# Altium PCB 转接板.PcbDoc (continued)
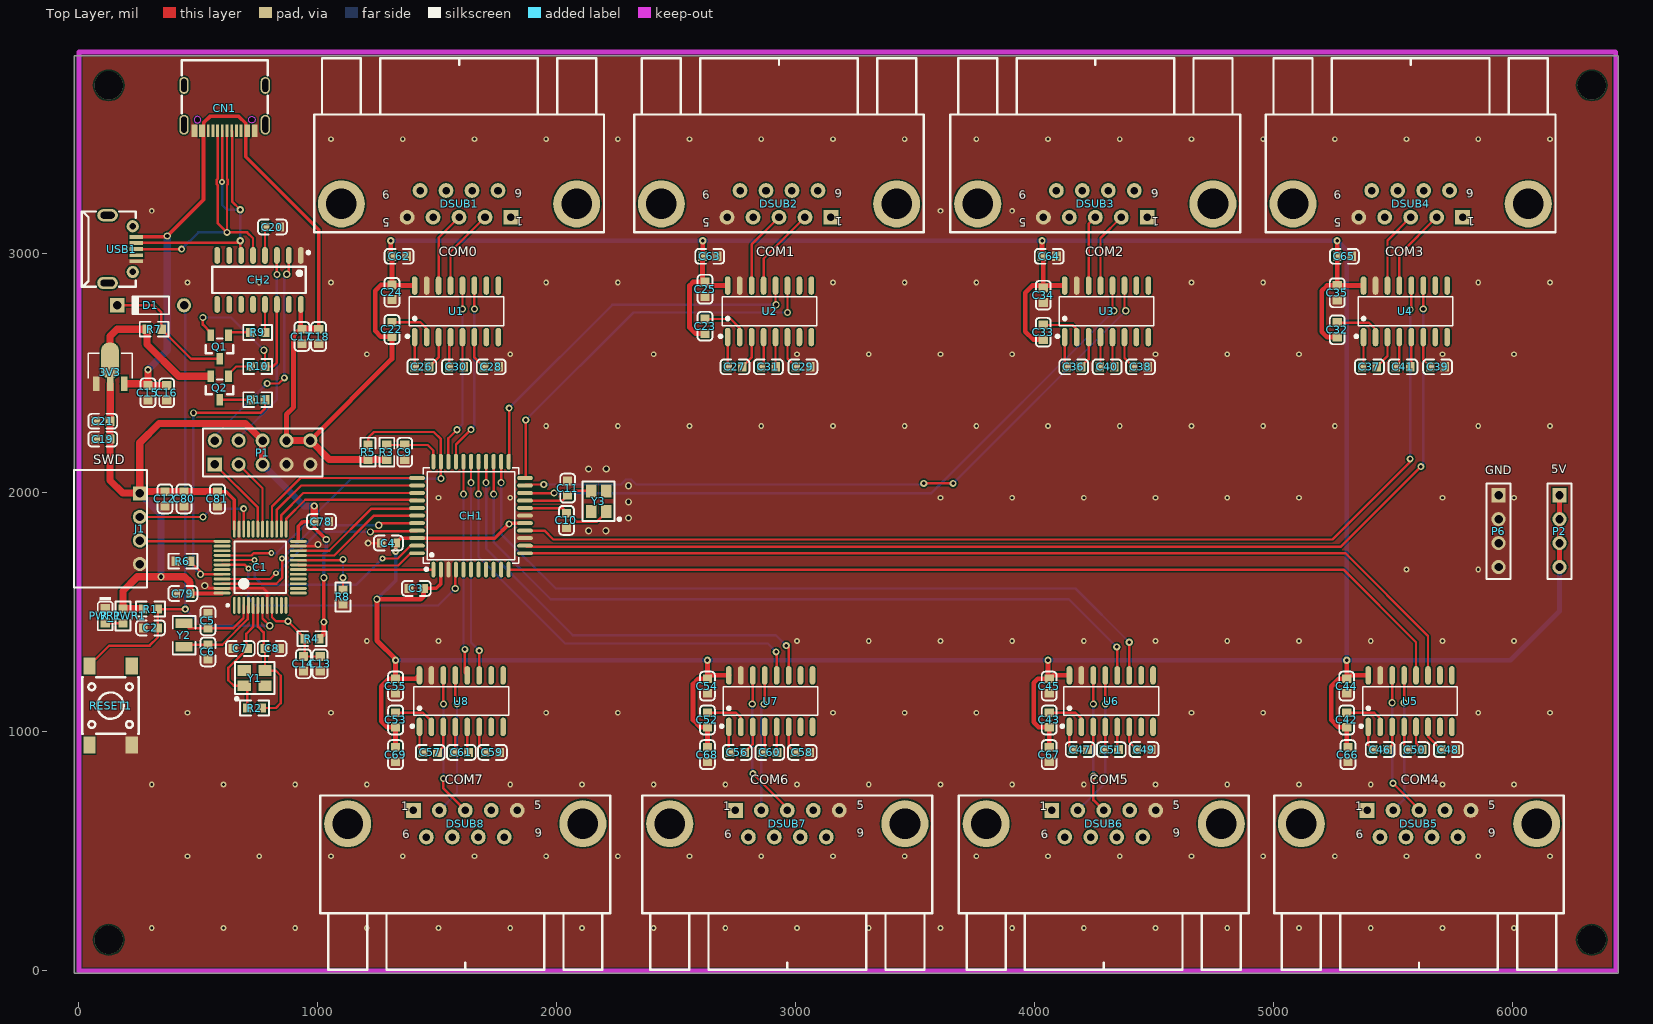
[diagram p0: Top Layer view]
## Part data
3V3: library part CJA1117B-ADJ, BOM_JLCPCB Part Class="Extended Part", BOM_Manufacturer=CJ, BOM_Manufacturer Part=CJA1117B-ADJ, BOM_Supplier=LCSC, BOM_Supplier Part=C107222, spicePre=U, spiceSymbolName=CJA1117B-ADJ
C1: "STM32 ARM-based 32-bit MCU with 64 Kbytes Flash, 48-pin LQFP, Industrial Temperature", ComponentLink1Description="Manufacturer Link", ComponentLink1URL=www.st.com/stm32, ComponentLink2Description=Datasheet, ComponentLink2URL=http://www.st.com/stonline/products/literature/ds/13587.pdf, DatasheetVersion="rev6, Mar-2008", PackageDescription="48-Pin Low-Profile Quad Flat Pack, 7 x 7 mm Body, 0.5 mm Pitch (LQFP48)", PackageReference=LQFP48, PackageVersion=Mar-2008, Published=30-May-2008, Publisher="Altium Limited"
C2 C9 C10 C11 C12 C14 C16 C18 C20 C21 C22 C23 C24 C25 C26 C27 C28 C29 C30 C31 C32 C33 C34 C35 C36 C37 C38 C39 C40 C41 C42 C43 C44 C45 C46 C47 C48 C49 C50 C51 C52 C53 C54 C55 C56 C57 C58 C59 C60 C61: library part "0603 100nF (104) 10% 50V", "贴片电容", Package=0603, SuppliersPartNumber=C14663, ComponentLink1Description=供应商链接, ComponentLink1URL=http://www.szlcsc.com/product/details_15331.html, Supplier=LC
C3 C4: library part "0603 100pF (101) 5% 50V", "贴片电容", Package=0603, SuppliersPartNumber=C14858, ComponentLink1Description=供应商链接, ComponentLink1URL=http://www.szlcsc.com/product/details_15530.html, Supplier=LC
C5 C6: library part "0603 10pF (100) 5% 50V", "贴片电容", Package=0603, SuppliersPartNumber=C1634, ComponentLink1Description=供应商链接, ComponentLink1URL=http://www.szlcsc.com/product/details_1986.html, Supplier=LC
C7 C8: library part "0603 22pF (220) 5% 50V", "贴片电容", Package=0603, SuppliersPartNumber=C1653, ComponentLink1Description=供应商链接, ComponentLink1URL=http://www.szlcsc.com/product/details_2005.html, Supplier=LC
C13 C17: library part "0603 10uF (106) 10% 10V", "贴片电容", Package=0603, SuppliersPartNumber=C19702, ComponentLink1Description=供应商链接, ComponentLink1URL=http://www.szlcsc.com/product/details_20411.html, Supplier=LC
C15 C19: library part "0603 22uF (226) 20% 6.3V", "贴片电容", Package=0603, SuppliersPartNumber=C59461, ComponentLink1Description=供应商链接, ComponentLink1URL=http://www.szlcsc.com/product/details_60514.html, Supplier=LC
C62 C63 C64 C65 C66 C67 C68 C69 C78 C79 C80 C81: library part "0603 1uF (105) 10% 50V", "贴片电容", Package=0603, SuppliersPartNumber=C15849, ComponentLink1Description=供应商链接, ComponentLink1URL=http://www.szlcsc.com/product/details_16531.html, Supplier=LC
CH2: library part CH340G_[C14267], "USB", Package=SOIC-16_150mil, SuppliersPartNumber=C14267, ComponentLink1Description=供应商链接, ComponentLink1URL=http://www.szlcsc.com/product/details_14927.html, Supplier=LC
CN1: BOM_Manufacturer="Korean Hroparts Elec", BOM_Manufacturer Part=TYPE-C-31-M-18, BOM_Supplier=LCSC, BOM_Supplier Part=C530609, Contributor=LCSC, spicePre=U, spiceSymbolName=TYPE-C-31-M-18
D1: library part "Diode 1N4148", "High Conductance Fast Diode", Code_JEDEC=DO-204-AH, ComponentLink1Description="Manufacturer Link", ComponentLink1URL=http://www.fairchildsemi.com/, ComponentLink2Description=Datasheet, ComponentLink2URL=http://www.fairchildsemi.com/ds/1N%2F1N4148.pdf, DatasheetVersion=1997, LatestRevisionDate=17-Jul-2002, LatestRevisionNote="Re-released for DXP Platform.", PackageDescription="Diode, Axial; Body 3.8 x 1.9 mm (LxDia. max), Lead Dia. 0.53 mm (max)", PackageReference=DO-35, Published=8-Jun-2000, Publisher="Altium Limited"
DSUB1 DSUB2 DSUB3 DSUB4 DSUB5 DSUB6 DSUB7 DSUB8: Current Rating (Max)=3A, JLCPCB Part Class="Extended Part", LCSC Part Name="D-Sub 公 P数:9 DMR叉锁", Manufacturer=Ckmtw(²Ó¿ÆÃ, Operating Temperature Range=-50¡æ~+105¡, Add into BOM=yes, Connector Type=D-Sub, Convert to PCB=yes, Datasheet=https://atta.szlcsc.com/upload/public/pdf/source/20171123/C141880_15114109678101137623.pdf, Device=D-DMR009PM-D002, Gender=公, Manufacturer Part=D-DMR009PM-D002, Mounting Style=Íä², Name=D-DMR009PM-D002, Number of Pins=9, Number of Rows=2, Supplier=LCSC, Supplier Footprint=²å¼, Supplier Part=C141880, Symbol=DMR-9P
P1: library part "Header 5X2A", "Header, 5-Pin, Dual row", LatestRevisionDate=17-Jul-2002, LatestRevisionNote="Re-released for DXP Platform.", Publisher="Altium Limited"
P2 P6: "Header, 4-Pin", LatestRevisionDate=17-Jul-2002, LatestRevisionNote="Re-released for DXP Platform.", Publisher="Altium Limited"
PWR1: library part "0603 蓝灯", "发光二极管", Package=0603, SuppliersPartNumber=C72041, ComponentLink1Description=供应商链接, ComponentLink1URL=http://www.szlcsc.com/product/details_73150.html, Supplier=LC
Q1: library part "SOT-23 SS8050 Y1", "三极管", Package=SOT-23, SuppliersPartNumber=C2150, ComponentLink1Description=供应商链接, ComponentLink1URL=http://www.szlcsc.com/product/details_2507.html, Supplier=LC
Q2: library part "SOT-23 SS8550 Y2", "三极管", Package=SOT-23, SuppliersPartNumber=C8542, ComponentLink1Description=供应商链接, ComponentLink1URL=http://www.szlcsc.com/product/details_9037.html, Supplier=LC
R1 R3 R4 R5 R6 R7 R8: library part "0603 10KΩ (1002) 1%", "贴片电阻", Package=0603, SuppliersPartNumber=C25804, ComponentLink1Description=供应商链接, ComponentLink1URL=http://www.szlcsc.com/product/details_26547.html, Supplier=LC
R2: library part "0603 1MΩ (1004) 1%", "贴片电阻", Package=0603, SuppliersPartNumber=C22935, ComponentLink1Description=供应商链接, ComponentLink1URL=http://www.szlcsc.com/product/details_23662.html, Supplier=LC
R9 R10 R11 R_PWR1: library part "0603 1KΩ (1001) 1%", "贴片电阻", Package=0603, SuppliersPartNumber=C21190, ComponentLink1Description=供应商链接, ComponentLink1URL=http://www.szlcsc.com/product/details_21904.html, Supplier=LC
RESET1: BOM_Manufacturer="XKB Connectivity(中国星坤)", BOM_Manufacturer Part=TS-1102SD-C-C-B, BOM_Supplier=LCSC, BOM_Supplier Part=C2935209, Contributor=LCSC, spicePre=S, spiceSymbolName=TS-1102SD-C-C-B
U1 U2 U3 U4 U5 U6 U7 U8: BOM_JLCPCB Part Class="Extended Part", BOM_Manufacturer="Texas Instruments", BOM_Manufacturer Part=MAX232D, BOM_Supplier=LCSC, BOM_Supplier Part=C350552, Contributor=LCSC, spicePre=U, spiceSymbolName=MAX232D
USB1: BOM_JLCPCB Part Class="Extended Part", BOM_Manufacturer="SHOU HAN", BOM_Manufacturer Part=MicroXNJ, BOM_Supplier=LCSC, BOM_Supplier Part=C404969, Contributor=LCSC, spicePre=U, spiceSymbolName=MICROXNJ
Y1 Y3: library part "SMD-3225_4P  12MHZ 20PF 10PPM", "贴片晶振", Package=SMD-3225_4P, SuppliersPartNumber=C9002, ComponentLink1Description=供应商链接, ComponentLink1URL=http://www.szlcsc.com/product/details_9522.html, Supplier=LC
Y2: library part "SMD-3215_2P 32.768KHz 20ppm 12.5pF", "贴片晶振", Package=SMD-3215_2P, SuppliersPartNumber=C32346, ComponentLink1Description=供应商链接, ComponentLink1URL=http://www.szlcsc.com/product/details_33310.html, Supplier=LC

## Free pads (board coordinates)
  round 118.11 hole 120: 2(125,130) 2(125,3705) 2(6330,130) 2(6330,3705)

## Via types
v1: diameter 24, hole 12, Top Layer to Bottom Layer, 155 vias
v2: diameter 30, hole 18, Top Layer to Bottom Layer, tented both sides, 41 vias
v3: diameter 30, hole 15, Top Layer to Bottom Layer, 38 vias
v4: diameter 30, hole 15, Top Layer to Bottom Layer, tented both sides, 7 vias
v5: diameter 30, hole 18, Top Layer to Bottom Layer, 7 vias
v6: diameter 24, hole 12, Top Layer to Bottom Layer, tented both sides, 6 vias

## Nets (pads, with @x,y where several pads share a name; then routed paths per layer and width w, separated by ;. In a path a pad name is that pad's centre, name@x,y a point inside that pad or via, vN(x,y) a via of type N, cw(c..) or ccw(c..) an arc to the next point about the centre after c; other vN are vias at no path point)
3V3: 3V3.2 C1.24 C1.36 C1.48 C12.2 C19.2 C21.2 C78.2 C79.2 C80.2 C81.2 J1.1 P1.3 P1.8 Q2.2 R1.2 R4.2 R7.2 R_PWR1.1 | length 4688.2
  Top Layer w15: C79.2 C1.48@599.27,1579.07 ; C81.2 616.38,2005.32 650.45,1971.25 C1.36 ; C1.24 918.16,1860 938.16,1880 C78.2 984.69,1855.31 v2(1035,1805) ; v4(1025,1460) v2(1025,1645) v2@1028.66,1641.34
  Top Layer w20: J1.1 J1.1@262.68,2005.32 ; C80.2 C80.2@450,2005.32 ; R4.2 1025,1409.69 v4(1025,1460)
  Top Layer w30: 3V3.2@130.32,2554.37 130.32,2655.32 160,2685 R7.2 284.69,2621.5 417.92,2488.27 Q2.2 ; 3V3.2@131.66,2456.97 131.66,2301.35 C21.2 C19.2 130.32,2052.32 183.27,1999.37 J1.1@255,1999.37 ; J1.1 J1.1@255,1999.37 ; J1.1@262.68,2005.32 C12.2 C80.2 ; R1.2 268.27,1515.32 R_PWR1.1 185,1590 244.37,1649.37 v2(343.72,1649.37) 442.06,1649.37 465.63,1625.8 C79.2 ; C80.2@450,2005.32 C81.2 ; P1.3 P1.8 697.77,2290 335,2290 255,2210 J1.1@255,1999.37 ; C78.2 v3(984.69,1945.32)
  Bottom Layer w15: v2(1025,1645) 1025,1745 1035,1755 v2(1035,1805)
  Bottom Layer w30: J1.1 343.72,1908.92 v2(343.72,1649.37) ; P1.3 942.45,1945.32 v3(984.69,1945.32)
5V: 3V3.3 C3.2 C4.2 C15.2 C16.2 C17.2 C18.1 C22.1 C23.1 C24.1 C25.1 C32.1 C33.1 C34.1 C35.1 C42.1 C43.1 C44.1 C45.1 C52.1 C53.1 C54.1 C55.1 C62.2 C63.2 C64.2 C65.2 C66.2 C67.2 C68.2 C69.2 CH1.2 CH1.16 CH1.42 CH2.16 CN1.A4 CN1.A9 CN1.B4 CN1.B9 P1.9 P1.10 P2.1 P2.2 P2.3 P2.4 R3.2 R5.2 U1.16 U2.16 U3.16 U4.16 U5.16 U6.16 U7.16 U8.16 USB1.1 | length 21733.1
  Top Layer w15: USB1.1 366.18,3071.18 v2(370,3075) 521.42,3226.42 CN1.B4 521.69,3515.2 521.69,3548.28 548.58,3575.16 669.25,3575.16 698.31,3546.1 CN1.B9@698.31,3515.19 ; CN1.B9 698.58,3406.42 1003.48,3101.52 C18.1 ; R3.2@1288.43,2139.88 R3.2 ; v3(1325.31,1755.32) C4.2 1345.83,1810.51 CH1.42 1740.51,1810.51 v3(1800,1870) 1803.5,1873.5 CH1.16 ; C3.2 1495.47,1600.47 1514.8,1619.8 CH1.2
  Top Layer w20: P1.9 868.71,2329.06 898.19,2358.53 898.19,2658.92 928.72,2689.45 CH2.16 ; P1.10 1310,2560.34 C22.1 1263.92,2653.76 1240,2677.68 1240,2845.32 1264.08,2869.39 C24.1 ; v3(1305,3055) 1305,2994.68 C62.2 1309.68,2869.71 C24.1 ; C69.2 1325.28,935.6 C53.1 1290.31,1019.69 1265,1045 1265,1190 1297.06,1222.06 C55.1 ; v3@1325.28,1300 C55.1 ; v3@1325.28,1304.09 1246.93,1382.44 v2(1246.93,1555) 1430,1555 1442.31,1567.31 C3.2 ; U1.16 1311.81,2867.58 C24.1 ; U8.16 1410.4,1222.06 C55.1 ; v3(2610,3055) 2610,2990.78 C63.2 2609.22,2893.48 C25.1 ; C23.1 2580,2667.07 2555,2692.07 2555,2867.58 2570.12,2882.7 C25.1 ; C68.2 C52.1 2600.31,1019.69 2570,1050 2570,1200 2592.06,1222.06 C54.1 ; v3(2629.81,1300) C54.1 ; U2.16 2635.12,2867.58 C25.1 ; U7.16 2644.42,1236.67 C54.1 ; v3(4030,3055) 4030,2989.68 4035,2984.68 C34.1@4035,2867.58 ; C33.1 3992.93,2642.07 3960,2675 3960,2837.7 3989.88,2867.58 C34.1@4035,2867.58 ; v3(4055,1300) 4055,1226.87 C45.1 ; C67.2 4059.81,935.51 C43.1 4015.31,1019.69 3995,1040 3995,1205 4012.06,1222.06 C45.1 ; U3.16 C34.1@4035,2867.58 ; U6.16 4074.42,1236.67 C45.1 ; v3(5264.68,3055) C65.2 5265,2989.68 C35.1 ; C32.1 5222.93,2652.07 5200,2675 5200,2845 5222.7,2867.7 C35.1 ; v3(5305,1300) 5304.81,1299.81 C44.1 ; C66.2 5304.81,940.51 C42.1 5270.31,1019.69 5240,1050 5240,1190 5272.06,1222.06 C44.1 ; U4.16 5375.01,2867.7 C35.1 ; U5.16 5319.42,1236.67 C44.1 ; P2.4 P2.3 P2.2 P2.1
  Top Layer w30: 3V3.3 281.67,2456.97 C15.2 ; v3(289.11,2515) C15.2 ; C16.2 C15.2 ; P1.9 P1.10 1047.89,2139.88 R5.2 R3.2@1288.43,2139.88 ; C17.2 C18.1
  Bottom Layer w15: v2(1246.93,1555) 1325.31,1633.39 v3(1325.31,1755.32)
  Bottom Layer w20: v3(1305,3055) v3(2610,3055) v3(4030,3055) v3(5264.68,3055) 5305,3014.68 v3(5305,1300) ; v3(1325,1300) v3(2629.81,1300) v3(4055,1300) v3(5305,1300) ; P2.4 6195,1505 5990,1300 v3(5305,1300)
  Bottom Layer w30: v3(289.11,2515) 370,2595.89 v2(370,3075)
A6/ALE: C1.42 CH1.4 | length 1229
  Top Layer w10: C1.42 694.66,1698.9 v6(709.5,1684.06) ; v2(1575,1600) 1575,1676.42 CH1.4
  Bottom Layer w10: v6(709.5,1684.06) 709.5,1559.29 739.79,1529 1504,1529 v2(1575,1600)
BOOT0: C1.44 R6.1 R11.1 | length 1203
  Top Layer w10: R6.1 508.72,1671.29 v2(508.72,1659.53) C1.44 ; v2(480,2335) 760.63,2335 778.72,2353.08 R11.1
  Bottom Layer w10: v2@488.4,2335 v2(480,2335) 478.72,2333.72 478.72,1689.53 v2(508.72,1659.53)
BOOT1: C1.20 R8.1 | length 313.6
  Top Layer w10: C1.20 v3@1105,1718.58 ; R8.1 v3(1105,1645)
  Bottom Layer w10: v3(1105,1645) v3(1105,1722.06)
"CH340 D+": CH2.5 CN1.A6 CN1.B6 USB1.3 | length 1471.2
  Top Layer w10: USB1.3 v4(430,3020) ; CN1.B6 580.47,3314.46 576.27,3310.26 576.27,3291.21 580.47,3287 580.47,3129.37 v3(619.84,3090) ; CN1.A6 619.84,3312.69 622.27,3310.26 622.27,3291.21 619.84,3288.78 v3(619.84,3090) ; CH2.5 728.72,3065.34 704.05,3090 v3(619.84,3090)
  Bottom Layer w10: v4(430,3020) 500,3090 v3(619.84,3090)
"CH340 D-": CH2.6 CN1.A7 CN1.B7 USB1.2 | length 1370.2
  Top Layer w10: USB1.2 240.3,3046 666,3046 v3(675,3055) 675,2997.49 CH2.6 ; v6(599.27,3300.73) 599.27,3514.02 CN1.A7 ; CN1.B7 641.27,3513.18 641.27,3218.73 v3(675,3185)
  Bottom Layer w10: v6(599.27,3300.73) 599.27,3205.73 620,3185 v3(675,3185) v3(675,3055)
CS#: C1.41 CH1.43 | length 968.5
  Top Layer w10: C1.41 599.74,1719.06 v6(735.32,1719.06) ; v1(1270,1725.5) 1334.54,1725.5 1388.06,1779.02 CH1.43
  Bottom Layer w10: v6@735.63,1719.06 v6(735.32,1719.06) 735.32,1648.72 769.03,1615 1159.5,1615 v1(1270,1725.5)
D0: C1.45 CH1.41 | length 899.5
  Top Layer w10: C1.45 800.79,1639.84 v6(825.32,1664.37) ; v2(1219.69,1837) 1221.69,1839 1411.99,1839 CH1.41
  Bottom Layer w10: v6(825.32,1664.37) 828.62,1664.37 1001.25,1837 v2(1219.69,1837)
D1: C1.46 CH1.40 | length 968.2
  Top Layer w10: C1.46 826.1,1620.16 850.32,1644.37 v6(850.32,1725.5) ; v2(1255,1865) 1263.5,1873.5 CH1.40
  Bottom Layer w10: v6(850.32,1725.5) 989.82,1865 v2(1255,1865)
D2: C1.21 CH1.39 | length 565.9
  Top Layer w10: C1.21 1068.27,1738.27 1235,1905 CH1.39
D3: C1.22 CH1.38 | length 570.8
  Top Layer w10: C1.22 1047.95,1757.95 1224.36,1934.36 1412.87,1934.36 CH1.38
D4: C1.25 CH1.37 | length 627.5
  Top Layer w10: C1.25 866.98,1892.32 868.27,1892.32 947.26,1971.32 1411.68,1971.32 CH1.37 CH1.37@1415,1969.53
D5: C1.26 CH1.36 | length 664.9
  Top Layer w10: C1.26 847.3,1907.64 939.15,1999.49 CH1.36
D6: C1.27 CH1.35 | length 709.5
  Top Layer w10: C1.27 827.61,1927.95 930.64,2030.98 CH1.35
D7: C1.28 CH1.34 | length 751.2
  Top Layer w10: C1.28 807.93,1943.27 927.14,2062.48 CH1.34
GND: 3V3.1 C1.8 C1.23 C1.35 C1.47 C2.2 C3.1 C4.1 C5.2 C6.2 C7.1 C8.1 C9.1 C10.1 C11.1 C12.1 C13.1 C14.2 C15.1 C16.1 C17.1 C18.2 C19.1 C20.1 C21.1 C24.2 C25.2 C28.1 C29.1 C34.2 C35.2 C38.1 C39.1 C44.2 C45.2 C48.1 C49.1 C54.2 C55.2 C58.1 C59.1 C62.1 C63.1 C64.1 C65.1 C66.1 C67.1 C68.1 C69.1 C78.1 C79.1 C80.1 C81.1 CH1.3 CH1.14 CH1.17 CH2.1 CN1.A1 CN1.A12 CN1.B1 CN1.B12 DSUB1.5 DSUB2.5 DSUB3.5 DSUB4.5 DSUB5.5 DSUB6.5 DSUB7.5 DSUB8.5 J1.4 P1.4 P1.5 P6.1 P6.2 P6.3 P6.4 PWR1.K R6.2 R8.2 RESET1.2 U1.15 U2.15 U3.15 U4.15 U5.15 U6.15 U7.15 U8.15 USB1.5 | length 468.6
  Top Layer w10: v2(526.62,1612.05) 534.53,1612.05 546.1,1600.47 C1.47 772.1,1600.47 787.46,1585.11 787.46,1530.39 C1.8 ; C1.35 C1.35@670.91,1847.72 ; C1.23 993.58,1777.64 v2(1000.32,1784.37) ; v3(1210,1790) C4.1
  other v1: 305,180 605,180 905,180 1205,180 1505,180 1805,180 2105,180 2405,180 2705,180 3005,180 3305,180 3605,180 3905,180 4205,180 4505,180 4805,180 5105,180 5405,180 5705,180 6005,180 455,480 755,480 1055,480 1355,480 1655,480 1955,480 2255,480 2555,480 2855,480 3155,480 3455,480 3755,480 4055,480 4355,480 4655,480 4955,480 5255,480 5555,480 5855,480 6155,480 305,780 605,780 905,780 1205,780 1805,780 2105,780 2405,780 2705,780 3005,780 3305,780 3605,780 3905,780 4205,780 4505,780 4805,780 5105,780 5405,780 5705,780 6005,780 455,1080 1055,1080 1955,1080 2255,1080 3155,1080 3455,1080 3755,1080 4655,1080 4955,1080 5855,1080 6155,1080 1205,1380 1505,1380 3005,1380 3305,1380 3605,1380 3905,1380 4205,1380 4505,1380 4805,1380 5105,1380 5405,1380 5705,1380 6005,1380 5555,1680 5855,1680 1505,1980 1805,1980 3605,1980 3905,1980 4205,1980 4505,1980 4805,1980 5105,1980 5705,1980 6005,1980 1955,2280 2255,2280 2555,2280 2855,2280 3155,2280 3455,2280 3755,2280 4055,2280 4355,2280 4655,2280 4955,2280 5255,2280 5855,2280 6155,2280 1205,2580 1805,2580 2405,2580 3005,2580 3305,2580 3605,2580 3905,2580 4505,2580 4805,2580 5105,2580 5705,2580 6005,2580 455,2880 755,2880 1055,2880 1955,2880 2255,2880 3155,2880 3455,2880 3755,2880 4655,2880 4955,2880 5855,2880 6155,2880 305,3180 3605,3180 3905,3180 1055,3480 1355,3480 1655,3480 1955,3480 2255,3480 2555,3480 2855,3480 3155,3480 3455,3480 3755,3480 4055,3480 4355,3480 4655,3480 4955,3480 5255,3480 5555,3480 5855,3480 6155,3480
  other v5: 2133.01,1842.01 2205,1842.01 2300,1895 2300,1962.43 2300,2030 2133.01,2100 2206.5,2100.61
INT: C1.40 CH1.32 R5.1 | length 1571.3
  Top Layer w10: C1.40 722,1738.27 731.84,1748.11 v6(805.32,1748.11) ; R5.1 1210,2230.46 1234.54,2255 1485,2255 1514.8,2225.2 CH1.32 v2(1514.8,2060)
  Bottom Layer w10: v6(805.32,1748.11) 828.11,1748.11 1140,2060 v2(1514.8,2060)
NetC1_9: C1.9 C13.2 C14.1 R4.1 | length 372.5
  Top Layer w10: C1.9 807.93,1479.84 824.66,1463.11 v4(875,1463.11) 944.68,1393.43 R4.1 944.68,1320.32 C14.1 C13.2
NetC20_2: C20.2 CH2.4 | length 123.8
  Top Layer w10: C20.2@778.62,3117.5 778.72,3117.4 CH2.4
NetC22_2: C22.2 U1.2 | length 191.6
  Top Layer w10: C22.2 1428.29,2714.39 1455,2687.68 U1.2
NetC23_2: C23.2 U2.2 | length 198.3
  Top Layer w10: C23.2 2727.3,2727.7 2764.81,2690.19 U2.2
NetC26_1: C26.1 U1.3 | length 141.2
  Top Layer w10: C26.1 1505,2567.07 U1.3
NetC26_2: C26.2 U1.1 | length 124.9
  Top Layer w10: C26.2 1405,2527.7 U1.1
NetC27_1: C27.1 U2.3 | length 141.2
  Top Layer w10: C27.1 2814.81,2566.87 U2.3
NetC27_2: C27.2 U2.1 | length 124.9
  Top Layer w10: C27.2 2714.81,2527.5 U2.1
NetC28_2: C28.2 U1.6 | length 141.2
  Top Layer w10: U1.6 1655,2567.07 C28.2
NetC29_2: C29.2 U2.6 | length 139
  Top Layer w10: U2.6 2964.81,2561.67 C29.2
NetC30_1: C30.1 U1.5 | length 127
  Top Layer w10: U1.5 1605,2532.7 C30.1
NetC30_2: C30.2 U1.4 | length 127
  Top Layer w10: C30.2 1549.69,2646.87 U1.4
NetC31_1: C31.1 U2.5 | length 125
  Top Layer w10: U2.5 2914.81,2527.89 C31.1
NetC31_2: C31.2 U2.4 | length 129
  Top Layer w10: C31.2 2864.81,2537.5 U2.4
NetC32_2: C32.2 U4.2 | length 204.2
  Top Layer w10: C32.2 5397.11,2712.7 5425.12,2684.68 U4.2
NetC33_2: C33.2 U3.2 | length 180
  Top Layer w10: C33.2 4157.3,2702.7 4174.73,2685.27 U3.2
NetC36_1: C36.1 U3.3 | length 138.2
  Top Layer w10: C36.1 4224.73,2559.63 U3.3
NetC36_2: C36.2 U3.1 | length 127.8
  Top Layer w10: U3.1 4124.73,2534.5 C36.2
NetC37_1: C37.1 U4.3 | length 143.4
  Top Layer w10: C37.1 5475.12,2572.19 U4.3
NetC37_2: C37.2 U4.1 | length 127.1
  Top Layer w10: C37.2 5375.12,2532.82 U4.1
NetC38_2: C38.2 U3.6 | length 140.2
  Top Layer w10: U3.6 4374.73,2564.5 C38.2
NetC39_2: C39.2 U4.6 | length 137
  Top Layer w10: U4.6 5625.12,2556.94 C39.2
NetC40_1: C40.1 U3.5 | length 128
  Top Layer w10: U3.5 4324.73,2535.13 C40.1
NetC40_2: C40.2 U3.4 | length 126
  Top Layer w10: C40.2 4274.73,2530.26 U3.4
NetC41_1: C41.1 U4.5 | length 126.8
  Top Layer w10: C41.1 5575.12,2532.19 U4.5
NetC41_2: C41.2 U4.4 | length 131.2
  Top Layer w10: C41.2 5525.12,2542.82 U4.4
NetC42_2: C42.2 U5.2 | length 184.5
  Top Layer w10: C42.2 5420,1080.32 5444.81,1055.51 U5.2
NetC43_2: C43.2 U6.2 | length 179.2
  Top Layer w10: C43.2 4169.68,1080.32 4194.54,1055.46 U6.2
NetC46_1: C46.1 U5.3 | length 103.4
  Top Layer w10: C46.1 5494.81,945.72 U5.3
NetC46_2: C46.2 U5.1 | length 103.4
  Top Layer w10: U5.1 5394.81,945.72 C46.2
NetC47_1: C47.1 U6.3 | length 105.5
  Top Layer w10: C47.1 4244.54,950.77 U6.3
NetC47_2: C47.2 U6.1 | length 101.3
  Top Layer w10: U6.1 4144.54,940.68 C47.2
NetC48_2: C48.2 U5.6 | length 117.9
  Top Layer w10: U5.6 5644.81,980.72 C48.2
NetC49_2: C49.2 U6.6 | length 108.4
  Top Layer w10: U6.6 4394.54,957.85 C49.2
NetC50_1: C50.1 U5.5 | length 105.7
  Top Layer w10: U5.5 5594.81,951.35 C50.1
NetC50_2: C50.2 U5.4 | length 101.3
  Top Layer w10: U5.4 5544.81,940.72 C50.2
NetC51_1: C51.1 U6.5 | length 97.6
  Top Layer w10: U6.5 4344.54,931.62 C51.1
NetC51_2: C51.2 U6.4 | length 97.3
  Top Layer w10: C51.2 4294.54,931.08 U6.4
NetC52_2: C52.2 U7.2 | length 187.2
  Top Layer w10: C52.2 2749.68,1080.32 2769.62,1060.38 U7.2
NetC53_2: C53.2 U8.2 | length 188.3
  Top Layer w10: C53.2 1440,1080.32 1475.01,1045.3 U8.2
NetC56_1: C56.1 U7.3 | length 121.3
  Top Layer w10: C56.1 2819.62,948.78 U7.3
NetC56_2: C56.2 U7.1 | length 109
  Top Layer w10: U7.1 2719.62,919.17 C56.2
NetC57_1: C57.1 U8.3 | length 117.1
  Top Layer w10: C57.1 1525.01,938.71 U8.3
NetC57_2: C57.2 U8.1 | length 113.2
  Top Layer w10: U8.1 1425.01,929.24 C57.2
NetC58_2: C58.2 U7.6 | length 118.1
  Top Layer w10: U7.6 2969.62,941.1 C58.2
NetC59_2: C59.2 U8.6 | length 117.3
  Top Layer w10: U8.6 1675.01,939.24 C59.2
NetC60_1: C60.1 U7.5 | length 107.7
  Top Layer w10: U7.5 2919.62,916.05 C60.1
NetC60_2: C60.2 U7.4 | length 110.7
  Top Layer w10: C60.2 2869.62,923.16 U7.4
NetC61_1: C61.1 U8.5 | length 109.3
  Top Layer w10: U8.5 1625.01,919.87 C61.1
NetC61_2: C61.2 U8.4 | length 109.1
  Top Layer w10: C61.2 1575.01,919.34 U8.4
NetCH2_13: CH2.13 R9.2 | length 117.8
  Top Layer w10: CH2.13 778.72,2671.71 R9.2@779.03,2671.39
NetCH2_14: CH2.14 Q1.2 R10.2 | length 756.5
  Top Layer w10: v2(518.72,2734.06) 518.72,2703.99 Q1.2@551.31,2671.39 ; v2@778.72,2584.06 R10.2 812.65,2529.09 828.71,2545.16 CH2.14@828.71,2801.69
  Bottom Layer w10: v2(518.72,2734.06) 636.64,2734.06 v2(774.03,2596.66)
NetD1_2: D1.2 Q1.3 R7.1 | length 566.5
  Top Layer w10: D1.2 315,2785 345.32,2754.68 R7.1 469.02,2561.29 577.04,2561.29 Q1.3@588.71,2572.97
NetPWR1_A: PWR1.A R_PWR1.2 | length 75.4
  Top Layer w10: PWR1.A@111.04,1454.69 R_PWR1.2
  Top Layer w15: PWR1.A PWR1.A@111.04,1454.69
NetQ1_1: Q1.1 R9.1 | length 92.3
  Top Layer w10: Q1.1@626.12,2671.39 R9.1 R9.1@718.4,2671.39
NetQ2_1: Q2.1 R10.1 | length 113.7
  Top Layer w10: Q2.1 626.12,2496.46 658.75,2529.09 R10.1
NetQ2_3: Q2.3 R11.2 | length 150.5
  Top Layer w10: Q2.3@588.71,2374.06 Q2.3 R11.2 R11.2@723.4,2389.84
OSC32_IN: C1.3 C5.1 Y2.2 | length 327.7
  Top Layer w10: Y2.2 459.61,1434.37 C5.1 646.49,1434.37 689.04,1476.92 689.04,1528.83 C1.3
OSC32_OUT: C1.4 C6.1 Y2.1 | length 373.7
  Top Layer w10: Y2.1 449.61,1365 C6.1 599.74,1365 706.72,1471.98 706.72,1526.83 C1.4
OSC_IN: C1.5 C7.2 R2.1 Y1.1 | length 536.4
  Top Layer w10: R2.1 705,1180.51 Y1.1 647.93,1193.5 625,1216.43 625,1268.11 C7.2 700.32,1354.69 700.32,1410.32 729.19,1439.19 C1.5
OSC_OUT: C1.6 C8.2 R2.2 Y1.3 | length 563.2
  Top Layer w10: C1.6 748.87,1440.81 773.08,1416.6 773.08,1354.69 C8.2 778.72,1256.59 Y1.3 823.82,1256.5 845,1235.32 845,1120.65 824.35,1100 R2.2
PA9: C1.30 P1.2 | length 311.9
  Top Layer w10: P1.2 768.56,2019.21 C1.30
PA10: C1.31 P1.1 | length 345.2
  Top Layer w10: P1.1 748.87,1938.9 C1.31
RD#: C1.19 CH1.44 | length 519.3
  Top Layer w10: C1.19 920.94,1696.12 954.69,1696.12 954.75,1696.06 1336.06,1696.06 1387.52,1747.52 CH1.44
RESET: C1.7 C2.1 D1.1 R1.1 RESET1.3 | length 2344.4
  Top Layer w10: RESET1.3@40.89,1274.72 127.18,1361 296,1361 330.31,1395.31 R1.1 v3(445,1513.9) ; C1.7 768.56,1474.21 v2(798.72,1444.06)
  Bottom Layer w10: v3@444.76,1513.9 444.76,2785 D1.1@444.76,2805 ; v3(445,1513.9) 514.84,1444.06 v2(798.72,1444.06)
RST#: C9.2 CH1.33 R3.1 | length 250.6
  Top Layer w10: R3.1 1363.43,2200.44 C9.2 1459.49,2200.51 1483.31,2176.69 CH1.33
RXD: CH2.3 P1.7 | length 841
  Top Layer w10: v2(828.72,2914.06) CH2.3
  Bottom Layer w10: P1.7 668.71,2230.87 828.72,2390.87 v2(828.72,2914.06)
RXD0: CH1.31 U1.12 | length 761.1
  Top Layer w10: CH1.31 1546.3,2228.5 v3(1582.09,2264.29) ; v2(1605,2769.08) U1.12
  Bottom Layer w10: v3(1582.09,2264.29) 1605,2287.2 v2(1605,2769.08)
RXD0_232: DSUB1.2 U1.13 | length 345.4
  Top Layer w10: U1.13 1555,3008.86 DSUB1.2
RXD1: CH1.23 U2.12 | length 1602.8
  Top Layer w10: CH1.23 1800,2132.52 v3(1800,2355) ; U2.12 2914.81,2790.05 v2(2917.47,2787.38)
  Bottom Layer w10: v3(1800,2355) 2232.38,2787.38 v2(2917.47,2787.38)
RXD1_232: DSUB2.2 U2.13 | length 357.3
  Top Layer w10: U2.13 2864.81,2980.01 DSUB2.2
RXD2: CH1.20 U3.12 | length 2878
  Top Layer w10: CH1.20@1875.43,1999.37 v2(1988.56,1999.37) ; U3.12 4324.73,2767.65 v2(4330,2762.38)
  Bottom Layer w10: v2(1988.56,1999.37) 3566.99,1999.37 v2(4330,2762.38)
RXD2_232: DSUB3.2 U3.13 | length 321.6
  Top Layer w10: U3.13 4274.73,3066.27 DSUB3.2
RXD3: CH1.15 U4.12 | length 4593.1
  Top Layer w10: CH1.15 1947.99,1842.01 1985,1805 5245,1805 5570,2130 v3(5570,2142.13) ; v2(5570,2767.38) 5575.12,2772.5 U4.12
  Bottom Layer w10: v3(5570,2142.13) v2(5570,2767.38)
RXD3_232: DSUB4.2 U4.13 | length 350.1
  Top Layer w10: U4.13 5525.12,2997.52 DSUB4.2
RXD4: CH1.11 U5.12 | length 4061
  Top Layer w10: CH1.11 5290.79,1679.21 5594.81,1375.19 U5.12
RXD4_232: DSUB5.2 U5.13 | length 578.9
  Top Layer w10: v2@5544.81,1127.17 U5.13
  Bottom Layer w10: DSUB5.2 5544.81,718.15 v2(5544.81,1121.98)
RXD5: CH1.25 U6.12 | length 3245
  Top Layer w10: v2(1735.28,1995) CH1.25 ; v3(4342.32,1355.47) 4344.54,1353.25 U6.12
  Bottom Layer w10: v2(1735.28,1995) 1735.28,1794.3 1974.58,1555 4142.79,1555 v3(4342.32,1355.47)
RXD5_232: DSUB6.2 U6.13 | length 612.8
  Top Layer w10: U6.13 4294.54,1117.06 v2(4294.81,1116.79)
  Bottom Layer w10: DSUB6.2 4294.81,787.29 v2(4294.81,1116.79)
RXD6: CH1.27 U7.12 | length 1914.5
  Top Layer w10: v2@1672.28,1990 v2(1672.28,1995) 1672.28,2125.35 1675,2128.07 CH1.27 ; v3(2917.47,1335) 2919.62,1332.86 U7.12
  Bottom Layer w10: v2(1672.28,1995) 1672.28,1732.72 2035,1370 2882.47,1370 v3(2917.47,1335)
RXD6_232: DSUB7.2 U7.13 | length 570.6
  Top Layer w10: v2(2867.27,1116.79) 2869.62,1119.13 U7.13
  Bottom Layer w10: DSUB7.2 2855.67,1105.18 v2(2867.27,1116.79)
RXD7: CH1.29 U8.12 | length 905.6
  Top Layer w10: v2@1609.29,1990 v2(1609.29,1995) CH1.29 ; v3(1615,1345) 1615,1246.69 U8.12
  Bottom Layer w10: v2(1609.29,1995) 1609.29,1350.71 v3(1615,1345)
RXD7_232: DSUB8.2 U8.13 | length 598.3
  Top Layer w10: U8.13 1575.01,1123.86 v2(1582.09,1116.79)
  Bottom Layer w10: DSUB8.2 1582.09,745.55 v2(1582.09,1116.79)
SWCLK: C1.37 J1.3 | length 339.8
  Top Layer w10: J1.3@260.32,1799.37 262.36,1797.32 C1.37
SWDIO: C1.34 J1.2 | length 533.7
  Top Layer w10: J1.2@256.27,1899.37 v4(519.37,1899.37) ; v4(689.04,1934.36) 689.82,1933.58 689.82,1899.82 ; C1.34 689.82,1899.82 ; 690,1900 689.82,1899.82
  Bottom Layer w10: v4(519.37,1899.37) 554.36,1934.36 v4(689.04,1934.36)
TXD: CH2.2 P1.6 | length 934.5
  Top Layer w10: v4(787.46,2457.66) 836.38,2457.66 v4(860,2481.29) ; v2(870,2915) 874.66,2915 878.72,2919.06 CH2.2
  Bottom Layer w10: P1.6 568.71,2238.91 v4(787.46,2457.66) ; v4(860,2481.29) 860,2905 v2(870,2915)
TXD0: CH1.30 U1.11 | length 768.8
  Top Layer w10: CH1.30 1577.8,2202.01 v3(1640.79,2265) ; v2(1655,2769.08) U1.11
  Bottom Layer w10: v3(1640.79,2265) 1655,2279.21 v2(1655,2769.08)
TXD0_232: DSUB1.3 U1.14 | length 321.1
  Top Layer w10: U1.14 1505,3067.52 DSUB1.3
TXD1: CH1.22 U2.11 | length 1638
  Top Layer w10: CH1.22 1870,2065.91 v3(1870,2305) ; U2.11 2964.81,2755.19 v2(2965,2755)
  Bottom Layer w10: v3(1870,2305) 2320,2755 v2(2965,2755)
TXD1_232: DSUB2.3 U2.14 | length 333
  Top Layer w10: U2.14 2814.81,3038.67 DSUB2.3
TXD2: CH1.21 U3.11 | length 2941.2
  Top Layer w10: CH1.21 1870.59,2035 v3(1945,2035) ; v3(3535,2040) v3(3657.62,2040) ; U3.11 4374.73,2767.65 v2(4380,2762.38)
  Bottom Layer w10: v3(1945,2035) 2268.23,2035 2289.23,2056 2310.77,2056 2331.77,2035 3530,2035 v3(3535,2040) ; v3(3657.62,2040) v2(4380,2762.38)
TXD2_232: DSUB3.3 U3.14 | length 297.3
  Top Layer w10: U3.14 4224.73,3124.93 DSUB3.3
TXD3: CH1.13 U4.11 | length 4651.5
  Top Layer w10: CH1.13 1871.59,1774 5279,1774 v3(5615,2110) ; v2(5625.12,2769.88) U4.11
  Bottom Layer w10: v3(5615,2110) 5625.12,2120.12 v2(5625.12,2769.88)
TXD3_232: DSUB4.3 U4.14 | length 325.8
  Top Layer w10: U4.14 5475.12,3056.18 DSUB4.3
TXD4: CH1.12 U5.11 | length 4086.5
  Top Layer w10: CH1.12 5298.94,1747.52 5644.81,1401.65 U5.11
TXD4_232: DSUB5.3 U5.14 | length 611.4
  Top Layer w10: v2(5494.81,1121.98) U5.14 ; v3(5498.47,785) 5607.13,676.34 DSUB5.3
  Bottom Layer w10: v2(5494.81,1121.98) 5494.81,788.66 v3(5498.47,785)
TXD5: CH1.24 U6.11 | length 3256.7
  Top Layer w10: v2(1766.77,2042.99) CH1.24 ; U6.11 v3(4394.54,1375.46)
  Bottom Layer w10: v2(1766.77,2042.99) 1766.77,1828.23 1995,1600 4170,1600 v3(4394.54,1375.46)
TXD5_232: DSUB6.3 U6.14 | length 582.9
  Top Layer w10: U6.14 4244.54,1117.06 v2(4244.81,1116.79) ; v3(4245,815) 4245,714.8 DSUB6.3
  Bottom Layer w10: v2(4244.81,1116.79) 4244.81,815.19 v3(4245,815)
TXD6: CH1.26 U7.11 | length 1898.9
  Top Layer w10: 1703.78,2060 CH1.26 ; v3(2960,1361) 2969.62,1351.38 U7.11
  Bottom Layer w10: v2(1703.78,2042.99) 1703.78,1767.96 2066.74,1405 2916,1405 v3(2960,1361)
TXD6_232: DSUB7.3 U7.14 | length 626.7
  Top Layer w10: v2(2817.27,1116.79) 2819.62,1119.13 U7.14 ; v3(2820,825) 2964.33,680.67 DSUB7.3
  Bottom Layer w10: v2(2817.27,1116.79) 2817.27,827.73 v3(2820,825)
TXD7: CH1.28 U8.11 | length 896.2
  Top Layer w10: 1640.79,2060 CH1.28 ; U8.11 v3(1675,1340)
  Bottom Layer w10: v2@1637.29,2039.5 v2(1640.79,2042.99) 1640.79,1374.21 v3(1675,1340)
TXD7_232: DSUB8.3 U8.14 | length 603.6
  Top Layer w10: v3(1525,805) 1525,763.82 DSUB8.3 ; U8.14 1525.01,1117.57 v2(1525.79,1116.79)
  Bottom Layer w10: v3(1525,805) 1525.79,805.79 v2(1525.79,1116.79)
WR#: C1.18 CH1.1 | length 566.1
  Top Layer w10: C1.18 919.38,1678 1482.09,1678 CH1.1
XI: C10.2 CH1.18 Y3.1 | length 401.8
  Top Layer w10: CH1.18@1847.01,1936.5 CH1.18 2023.82,1936.5 2045,1915.32 2080.31,1880 2167.56,1880 2206.5,1918.93 Y3.1
XO: C11.2 CH1.19 Y3.3 | length 293.6
  Top Layer w10: CH1.19 2023.31,1967.99 C11.2 2063.62,2008.31 Y3.3
pads on no net: C1.1 C1.2 C1.10 C1.11 C1.12 C1.13 C1.14 C1.15 C1.16 C1.17 C1.29 C1.32 C1.33 C1.38 C1.39 C1.43 CH1.5 CH1.6 CH1.7 CH1.8 CH1.9 CH1.10 CH2.7 CH2.8 CH2.9 CH2.10 CH2.11 CH2.12 CH2.15 CN1.1 CN1.2 CN1.3 CN1.4 CN1.A5 CN1.A8 CN1.B5 CN1.B8 DSUB1.1 DSUB1.4 DSUB1.6 DSUB1.7 DSUB1.8 DSUB1.9 DSUB1.10 DSUB1.11 DSUB2.1 DSUB2.4 DSUB2.6 DSUB2.7 DSUB2.8 DSUB2.9 DSUB2.10 DSUB2.11 DSUB3.1 DSUB3.4 DSUB3.6 DSUB3.7 DSUB3.8 DSUB3.9 DSUB3.10 DSUB3.11 DSUB4.1 DSUB4.4 DSUB4.6 DSUB4.7 DSUB4.8 DSUB4.9 DSUB4.10 DSUB4.11 DSUB5.1 DSUB5.4 DSUB5.6 DSUB5.7 DSUB5.8 DSUB5.9 DSUB5.10 DSUB5.11 DSUB6.1 DSUB6.4 DSUB6.6 DSUB6.7 DSUB6.8 DSUB6.9 DSUB6.10 DSUB6.11 DSUB7.1 DSUB7.4 DSUB7.6 DSUB7.7 DSUB7.8 DSUB7.9 DSUB7.10 DSUB7.11 DSUB8.1 DSUB8.4 DSUB8.6 DSUB8.7 DSUB8.8 DSUB8.9 DSUB8.10 DSUB8.11 RESET1.1 RESET1.4 U1.7 U1.8 U1.9 U1.10 U2.7 U2.8 U2.9 U2.10 U3.7 U3.8 U3.9 U3.10 U4.7 U4.8 U4.9 U4.10 U5.7 U5.8 U5.9 U5.10 U6.7 U6.8 U6.9 U6.10 U7.7 U7.8 U7.9 U7.10 U8.7 U8.8 U8.9 U8.10 USB1.4 USB1.6 USB1.7 USB1.8 USB1.9 Y1.2 Y1.4 Y3.2 Y3.4

## Polygon pours and split planes (outlines as drawn)
GND on Bottom Layer "GND_L02_P014" (solid, remove dead copper, pour order 14): -15,3825 6430,3825 6430,-15 5,-15 -10,0
GND on Top Layer "GND_L01_P016" (solid, remove dead copper, pour order 16): -10,3820 -5,3825 6415,3825 6415,0 20,0 0,20

## Keep-outs
Keep-Out Layer:
  lines w20: 0,0 0,3845 6430,3845 6430,0 0,0

## Silkscreen, mask and mechanical layers (free items; w line width, h text height)
Top Overlay:
  text "COM0" at 1505,2990 h40
  text "COM1" at 2834.62,2990 h40
  text "COM2" at 4210,2990 h40
  text "COM3" at 5465,2990 h40
  text "SWD" at 60,2119.06 h40
  text "5V" at 6160,2070 h60
  text "GND" at 5885,2065 h60
  text "COM7" at 1530,780 h40
  text "COM6" at 2810,780 h40
  text "COM5" at 4230,780 h40
  text "COM4" at 5530,780 h40
Bottom Overlay:
  text "TX" at 604.55,2283.29 h40
  text "RX" at 697.03,2283.29 h40
  text "3V3" at 820,2283.29 h40
  text "5V" at 907.03,2283.29 h40
  text "5V" at 1002.03,2283.29 h40
  text "PA10" at 595,2015 h40
  text "PA9" at 727.38,2015 h40
  text "3V3" at 848.77,2015 h40
  text "G" at 894.05,2015 h40
  text "G" at 986.63,2015 h40
  text "3v3" at 125.03,1980 h40
  text "SWDIO" at 198.34,1880 h40
  text "SWCLK" at 205,1775 h40
  text "GND" at 125.03,1680 h40
  text "CH438转接板 type-c DB9版" at 905,525 h80
  text "制板人：后羿" at 664.83,435 h80
  text "2022年9月7日" at 665,345 h80
Mechanical 1:
  the board outline again, w20

## Text inside footprints (layer, text, board x,y; h text height)
DSUB1: Top Overlay "9" at 1298.82,3266.62 h35 r185; Top Overlay "6" at 1852.82,3272.62 h35 r185; Top Overlay "1" at 1858.35,3152.69 h35 r180; Top Overlay "5" at 1301.35,3148.69 h35 r180
DSUB2: Top Overlay "9" at 2637.48,3266.62 h35 r185; Top Overlay "6" at 3191.48,3272.62 h35 r185; Top Overlay "1" at 3197.01,3152.69 h35 r180; Top Overlay "5" at 2640.01,3148.69 h35 r180
DSUB3: Top Overlay "9" at 3961.14,3266.62 h35 r185; Top Overlay "6" at 4515.14,3272.62 h35 r185; Top Overlay "1" at 4520.67,3152.69 h35 r180; Top Overlay "5" at 3963.67,3148.69 h35 r180
DSUB4: Top Overlay "9" at 5280.28,3266.62 h35 r185; Top Overlay "6" at 5834.28,3272.62 h35 r185; Top Overlay "1" at 5839.81,3152.69 h35 r180; Top Overlay "5" at 5282.81,3148.69 h35 r180
DSUB5: Top Overlay "9" at 5898.97,558.38 h35 r5; Top Overlay "6" at 5344.97,552.38 h35 r5; Top Overlay "1" at 5339.45,672.31 h35; Top Overlay "5" at 5896.45,676.31 h35
DSUB6: Top Overlay "9" at 4579.83,558.38 h35 r5; Top Overlay "6" at 4025.83,552.38 h35 r5; Top Overlay "1" at 4020.31,672.31 h35; Top Overlay "5" at 4577.31,676.31 h35
DSUB7: Top Overlay "9" at 3256.17,558.38 h35 r5; Top Overlay "6" at 2702.17,552.38 h35 r5; Top Overlay "1" at 2696.65,672.31 h35; Top Overlay "5" at 3253.65,676.31 h35
DSUB8: Top Overlay "9" at 1908.86,558.38 h35 r5; Top Overlay "6" at 1354.86,552.38 h35 r5; Top Overlay "1" at 1349.33,672.31 h35; Top Overlay "5" at 1906.33,676.31 h35